# Altium PCB pcb-ash-power.PcbDoc (part 4 of 6)
Units mm, origin at the board's own origin, x right, y up, seen from the top; angles counter-clockwise.
Board outline 140 x 87 mm, 4 copper layers (Top Layer, VCC, GND, Bottom Layer), stack 1.641 mm thick; 589 components, 453 nets, 2323 pads, 1205 vias.
Unrouted connection lines stored in the file: 345.
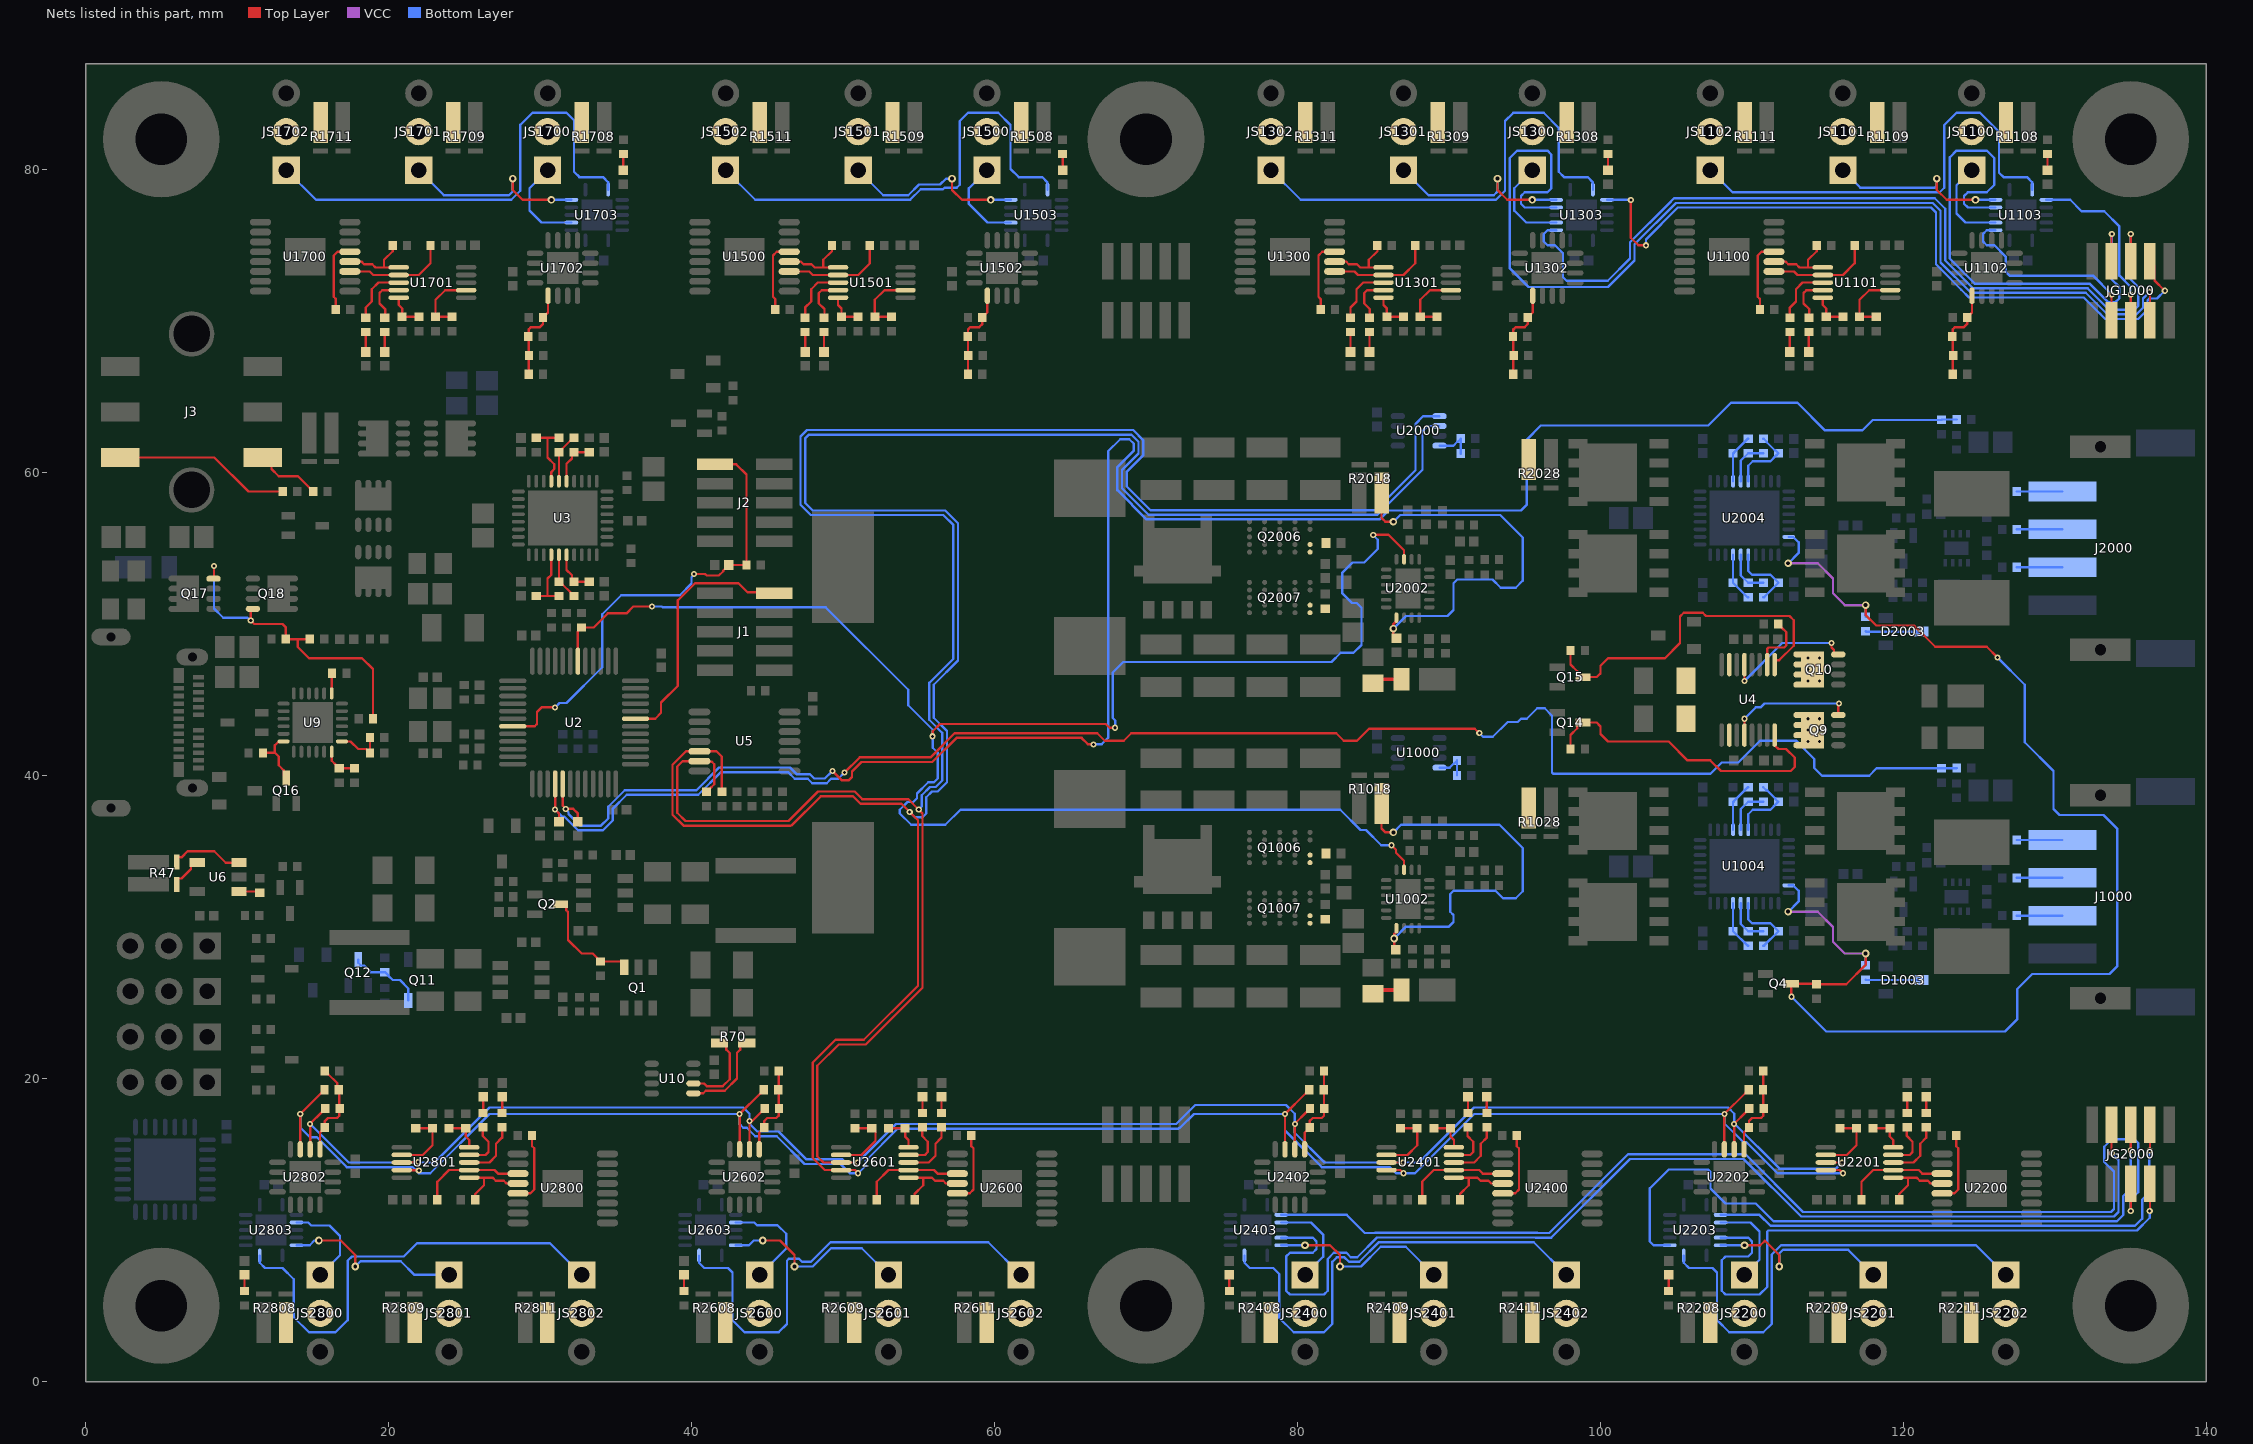
[diagram p6: the nets of this part, all layers, seen from the top]

## Via types
v1: diameter 0.5, hole 0.25, Top Layer to Bottom Layer, tented both sides, 250 vias
v2: diameter 0.406, hole 0.203, Top Layer to Bottom Layer, 244 vias
v3: diameter 0.5, hole 0.2, Top Layer to Bottom Layer, 202 vias
v4: diameter 0.508, hole 0.3, Top Layer to Bottom Layer, 155 vias
v5: diameter 0.4, hole 0.2, Top Layer to Bottom Layer, tented both sides, 103 vias
v6: diameter 0.508, hole 0.254, Top Layer to Bottom Layer, tented both sides, 82 vias
v7: diameter 1.27, hole 0.7, Top Layer to Bottom Layer, 48 vias
v8: diameter 0.4, hole 0.2, Top Layer to Bottom Layer, 47 vias
v9: diameter 0.5, hole 0.254, Top Layer to Bottom Layer, 24 vias
v10: diameter 0.508, hole 0.254, Top Layer to Bottom Layer, 19 vias
v11: diameter 0.508, hole 0.2, Top Layer to Bottom Layer, 17 vias
v12: diameter 0.406, hole 0.203, Top Layer to Bottom Layer, tented both sides, 10 vias
v13: diameter 0.508, hole 0.2, Top Layer to Bottom Layer, tented both sides, 4 vias

## Nets (pads, with @x,y where several pads share a name; then routed paths per layer and width w, separated by ;. In a path a pad name is that pad's centre, name@x,y a point inside that pad or via, vN(x,y) a via of type N, cw(c..) or ccw(c..) an arc to the next point about the centre after c; other vN are vias at no path point) (continued)
NetD1000_A: D1000.A R1019.2 | length 2
  Top Layer w0.152: R1019.2@84.98,25.6 R1019.2@85.23,25.85
  Top Layer w0.25: R1019.2@85.23,25.85 D1000.A@86.855,25.85
NetD1003_C: D1003.C R1047.2 | length 3.7
  Bottom Layer w0.152: R1047.2@117.5,26.525 117.525,26.5 D1003.C@121.175,26.5
NetD1100_A: D1100.1 R1100.2 | length 1.1
  Top Layer w0.152: D1100.1@129.5,79.96 R1100.2@129.5,81.025
NetD1101_C: D1101.2 R1104.1 | length 1.3
  Top Layer w0.152: D1101.2@112.5,67.96 R1104.1@112.5,69.275
NetD1102_C: D1102.2 R1105.1 | length 1.3
  Top Layer w0.152: D1102.2@113.75,67.96 R1105.1@113.75,69.275
NetD1300_A: D1300.1 R1300.2 | length 1.1
  Top Layer w0.152: D1300.1@100.5,79.96 R1300.2@100.5,81.025
NetD1301_C: D1301.2 R1304.1 | length 1.3
  Top Layer w0.152: D1301.2@83.5,67.96 R1304.1@83.5,69.275
NetD1302_C: D1302.2 R1305.1 | length 1.3
  Top Layer w0.152: D1302.2@84.75,67.96 R1305.1@84.75,69.275
NetD1500_A: D1500.1 R1500.2 | length 1.1
  Top Layer w0.152: D1500.1@64.5,79.96 R1500.2@64.5,81.025
NetD1501_C: D1501.2 R1504.1 | length 1.3
  Top Layer w0.152: D1501.2@47.5,67.96 R1504.1@47.5,69.275
NetD1502_C: D1502.2 R1505.1 | length 1.3
  Top Layer w0.152: D1502.2@48.75,67.96 R1505.1@48.75,69.275
NetD1700_A: D1700.1 R1700.2 | length 1.1
  Top Layer w0.152: D1700.1@35.5,79.96 R1700.2@35.5,81.025
NetD1701_C: D1701.2 R1704.1 | length 1.3
  Top Layer w0.152: D1701.2@18.5,67.96 R1704.1@18.5,69.275
NetD1702_C: D1702.2 R1705.1 | length 1.3
  Top Layer w0.152: D1702.2@19.75,67.96 R1705.1@19.75,69.275
NetD2000_A: D2000.A R2019.2 | length 2
  Top Layer w0.152: R2019.2@84.98,46.1 R2019.2@85.23,46.35
  Top Layer w0.25: R2019.2@85.23,46.35 D2000.A@86.855,46.35
NetD2003_C: D2003.C R2047.2 | length 3.7
  Bottom Layer w0.152: R2047.2@117.5,49.525 117.525,49.5 D2003.C@121.175,49.5
NetD2200_A: D2200.1 R2200.2 | length 1.1
  Top Layer w0.152: R2200.2@104.5,5.975 D2200.1@104.5,7.04
NetD2201_C: D2201.2 R2204.1 | length 1.1
  Top Layer w0.152: R2204.1@121.5,17.725 D2201.2@121.5,18.79
NetD2202_C: D2202.2 R2205.1 | length 1.1
  Top Layer w0.152: R2205.1@120.25,17.725 D2202.2@120.25,18.79
NetD2400_A: D2400.1 R2400.2 | length 1.1
  Top Layer w0.152: R2400.2@75.5,5.975 D2400.1@75.5,7.04
NetD2401_C: D2401.2 R2404.1 | length 1.1
  Top Layer w0.152: R2404.1@92.5,17.725 D2401.2@92.5,18.79
NetD2402_C: D2402.2 R2405.1 | length 1.1
  Top Layer w0.152: R2405.1@91.25,17.725 D2402.2@91.25,18.79
NetD2600_A: D2600.1 R2600.2 | length 1.1
  Top Layer w0.152: R2600.2@39.5,5.975 D2600.1@39.5,7.04
NetD2601_C: D2601.2 R2604.1 | length 1.1
  Top Layer w0.152: R2604.1@56.5,17.725 D2601.2@56.5,18.79
NetD2602_C: D2602.2 R2605.1 | length 1.1
  Top Layer w0.152: R2605.1@55.25,17.725 D2602.2@55.25,18.79
NetD2800_A: D2800.1 R2800.2 | length 1.1
  Top Layer w0.152: R2800.2@10.5,5.975 D2800.1@10.5,7.04
NetD2801_C: D2801.2 R2804.1 | length 1.1
  Top Layer w0.152: R2804.1@27.5,17.725 D2801.2@27.5,18.79
NetD2802_C: D2802.2 R2805.1 | length 1.1
  Top Layer w0.152: R2805.1@26.25,17.725 D2802.2@26.25,18.79
NetFB1000_2: FB1000.2 Q1006.G
NetFB1001_2: FB1001.2 Q1007.G
NetFB2000_2: FB2000.2 Q2006.G
NetFB2001_2: FB2001.2 Q2007.G
NetID1100_1: ID1100.1 R1106.2 U1101.5 | length 2.6
  Top Layer w0.152: U1101.5@114.675,71.54 114.675,71.055 114.9,70.83 R1106.2@114.9,70.275 ID1100.1@116,70.275 ; ID1100.1@116,70.24 ID1100.1@116.15,70.24
NetID1101_1: ID1101.1 R1107.2 U1101.7 | length 4.5
  Top Layer w0.152: R1107.2@118.2,70.275 ID1101.1@117.1,70.275 117.1,71.4 117.74,72.04 U1101.7@119.125,72.04
NetID1102_1: ID1102.1 ID1103.1 ID1104.1 R1110.2 U1102.5 | length 6.1
  Top Layer w0.152: R1110.2@123.25,66.49 123.25,67.74 123.25,68.99 123.25,69.45 123.4,69.6 124,69.6 124.2,69.8 ID1104.1@124.2,70.24 124.525,70.565 U1102.5@124.525,71.675
NetID1300_1: ID1300.1 R1306.2 U1301.5 | length 2.6
  Top Layer w0.152: U1301.5@85.675,71.54 85.675,71.055 85.9,70.83 R1306.2@85.9,70.275 ID1300.1@87,70.275 ; ID1300.1@87,70.24 ID1300.1@87.15,70.24
NetID1301_1: ID1301.1 R1307.2 U1301.7 | length 4.5
  Top Layer w0.152: R1307.2@89.2,70.275 ID1301.1@88.1,70.275 88.1,71.4 88.74,72.04 U1301.7@90.125,72.04
NetID1302_1: ID1302.1 ID1303.1 ID1304.1 R1310.2 U1302.5 | length 6.1
  Top Layer w0.152: R1310.2@94.25,66.49 94.25,67.74 94.25,68.99 94.25,69.45 94.4,69.6 95,69.6 95.2,69.8 ID1304.1@95.2,70.24 95.525,70.565 U1302.5@95.525,71.675
NetID1500_1: ID1500.1 R1506.2 U1501.5 | length 2.6
  Top Layer w0.152: U1501.5@49.675,71.54 49.675,71.055 49.9,70.83 R1506.2@49.9,70.275 ID1500.1@51,70.275 ; ID1500.1@51,70.24 ID1500.1@51.15,70.24
NetID1501_1: ID1501.1 R1507.2 U1501.7 | length 4.5
  Top Layer w0.152: R1507.2@53.2,70.275 ID1501.1@52.1,70.275 52.1,71.4 52.74,72.04 U1501.7@54.125,72.04
NetID1502_1: ID1502.1 ID1503.1 ID1504.1 R1510.2 U1502.5 | length 6.1
  Top Layer w0.152: R1510.2@58.25,66.49 58.25,67.74 58.25,68.99 58.25,69.45 58.4,69.6 59,69.6 59.2,69.8 ID1504.1@59.2,70.24 59.525,70.565 U1502.5@59.525,71.675
NetID1700_1: ID1700.1 R1706.2 U1701.5 | length 2.6
  Top Layer w0.152: U1701.5@20.675,71.54 20.675,71.055 20.9,70.83 R1706.2@20.9,70.275 ID1700.1@22,70.275 ; ID1700.1@22,70.24 ID1700.1@22.15,70.24
NetID1701_1: ID1701.1 R1707.2 U1701.7 | length 4.5
  Top Layer w0.152: R1707.2@24.2,70.275 ID1701.1@23.1,70.275 23.1,71.4 23.74,72.04 U1701.7@25.125,72.04
NetID1702_1: ID1702.1 ID1703.1 ID1704.1 R1710.2 U1702.5 | length 6.1
  Top Layer w0.152: R1710.2@29.25,66.49 29.25,67.74 29.25,68.99 29.25,69.45 29.4,69.6 30,69.6 30.2,69.8 ID1704.1@30.2,70.24 30.525,70.565 U1702.5@30.525,71.675
NetID2200_1: ID2200.1 R2206.2 U2201.5 | length 2.6
  Top Layer w0.152: ID2200.1@117.85,16.76 ID2200.1@118,16.76 ; ID2200.1@118,16.725 R2206.2@119.1,16.725 119.1,16.17 119.325,15.945 U2201.5@119.325,15.46
NetID2201_1: ID2201.1 R2207.2 U2201.7 | length 4.5
  Top Layer w0.152: U2201.7@114.875,14.96 116.26,14.96 116.9,15.6 ID2201.1@116.9,16.725 R2207.2@115.8,16.725
NetID2202_1: ID2202.1 ID2203.1 ID2204.1 R2210.2 U2202.5 | length 6.1
  Top Layer w0.152: U2202.5@109.475,15.325 109.475,16.435 ID2204.1@109.8,16.76 109.8,17.2 110,17.4 110.6,17.4 110.75,17.55 110.75,18.01 110.75,19.26 R2210.2@110.75,20.51
NetID2400_1: ID2400.1 R2406.2 U2401.5 | length 2.6
  Top Layer w0.152: ID2400.1@88.85,16.76 ID2400.1@89,16.76 ; ID2400.1@89,16.725 R2406.2@90.1,16.725 90.1,16.17 90.325,15.945 U2401.5@90.325,15.46
NetID2401_1: ID2401.1 R2407.2 U2401.7 | length 4.5
  Top Layer w0.152: U2401.7@85.875,14.96 87.26,14.96 87.9,15.6 ID2401.1@87.9,16.725 R2407.2@86.8,16.725
NetID2402_1: ID2402.1 ID2403.1 ID2404.1 R2410.2 U2402.5 | length 6.1
  Top Layer w0.152: U2402.5@80.475,15.325 80.475,16.435 ID2404.1@80.8,16.76 80.8,17.2 81,17.4 81.6,17.4 81.75,17.55 81.75,18.01 81.75,19.26 R2410.2@81.75,20.51
NetID2600_1: ID2600.1 R2606.2 U2601.5 | length 2.6
  Top Layer w0.152: ID2600.1@52.85,16.76 ID2600.1@53,16.76 ; ID2600.1@53,16.725 R2606.2@54.1,16.725 54.1,16.17 54.325,15.945 U2601.5@54.325,15.46
NetID2601_1: ID2601.1 R2607.2 U2601.7 | length 4.7
  Top Layer w0.152: U2601.7@49.875,14.96 51.229,14.96 52.145,15.876 52.145,16.48 52.124,16.501 52.124,16.526 51.925,16.725 ID2601.1@51.9,16.725 R2607.2@50.8,16.725
NetID2602_1: ID2602.1 ID2603.1 ID2604.1 R2610.2 U2602.5 | length 6.1
  Top Layer w0.152: U2602.5@44.475,15.325 44.475,16.435 ID2604.1@44.8,16.76 44.8,17.2 45,17.4 45.6,17.4 45.75,17.55 45.75,18.01 45.75,19.26 R2610.2@45.75,20.51
NetID2800_1: ID2800.1 R2806.2 U2801.5 | length 2.6
  Top Layer w0.152: ID2800.1@23.85,16.76 ID2800.1@24,16.76 ; ID2800.1@24,16.725 R2806.2@25.1,16.725 25.1,16.17 25.325,15.945 U2801.5@25.325,15.46
NetID2801_1: ID2801.1 R2807.2 U2801.7 | length 4.5
  Top Layer w0.152: U2801.7@20.875,14.96 22.26,14.96 22.9,15.6 ID2801.1@22.9,16.725 R2807.2@21.8,16.725
NetID2802_1: ID2802.1 ID2803.1 ID2804.1 R2810.2 U2802.5 | length 6.5
  Top Layer w0.152: U2802.5@15.475,15.325 15.475,16.435 ID2804.1@15.8,16.76 15.8,17.2 16,17.4 16.6,17.4 16.75,17.55 ID2803.1@16.75,19.26 ; R2810.2@15.8,20.51 15.8,20.485 15.999,20.286 16.024,20.286 16.611,19.699 16.611,19.374 ID2803.1@16.725,19.26
NetJ3_1: J3.1 R40.1 | length 11.7
  Top Layer w0.152: J3.1@2.3,61 8.5,61 10.75,58.75 R40.1@13.025,58.75
NetJ3_4: J3.4 R39.1 | length 4.4
  Top Layer w0.152: J3.4@11.7,61 11.716,61 12.274,60.441 12.274,60.226 12.75,59.75 14.025,59.75 14.801,58.974 14.826,58.974 15.025,58.775 R39.1@15.025,58.75
NetJ1000_1: J1000.1 R1033.1 | length 3
  Bottom Layer w0.152: R1033.1@127.475,35.75 J1000.1@130.5,35.75
NetJ1000_2: J1000.2 R1035.1 | length 3
  Bottom Layer w0.152: R1035.1@127.475,33.25 J1000.2@130.5,33.25
NetJ1000_3: J1000.3 R1038.1 | length 3
  Bottom Layer w0.152: R1038.1@127.475,30.75 J1000.3@130.5,30.75
NetJ2000_1: J2000.1 R2033.1 | length 3
  Bottom Layer w0.152: R2033.1@127.475,58.75 J2000.1@130.5,58.75
NetJ2000_2: J2000.2 R2035.1 | length 3
  Bottom Layer w0.152: R2035.1@127.475,56.25 J2000.2@130.5,56.25
NetJ2000_3: J2000.3 R2038.1 | length 3
  Bottom Layer w0.152: R2038.1@127.475,53.75 J2000.3@130.5,53.75
NetJS1100_1: JS1100.1 U1103.3 | length 6.1
  Bottom Layer w0.152: JS1100.1@124.5,79.96 123.5,78.96 123.5,77.1 124.1,76.5 U1103.3@126.075,76.5
NetJS1100_2: JS1100.2 R1108.2
NetJS1101_1: JS1101.1 U1103.6 | length 12.1
  Top Layer w0.152: v6(122.2,79.4) 122.2,78.65 122.85,78 v6(124.75,78)
  Bottom Layer w0.152: JS1101.1@116,79.96 117.155,78.805 122.055,78.805 122.2,78.95 v6(122.2,79.4) ; v6(124.75,78) U1103.6@126.075,78
NetJS1101_2: JS1101.2 R1109.2
NetJS1102_1: JS1102.1 U1103.8 | length 30.4
  Bottom Layer w0.152: JS1102.1@107.25,79.96 108.71,78.5 122.4,78.5 122.695,78.795 122.695,82.945 123.5,83.75 125.05,83.75 126.305,82.495 126.305,79.795 126.6,79.5 128.154,79.5 128.5,79.154 U1103.8@128.5,78.675
NetJS1102_2: JS1102.2 R1111.2
NetJS1300_1: JS1300.1 U1303.3 | length 6.3
  Bottom Layer w0.152: JS1300.1@95.5,79.96 94.31,78.77 94.31,77.29 95.1,76.5 U1303.3@97.075,76.5
NetJS1300_2: JS1300.2 R1308.2
NetJS1301_1: JS1301.1 U1303.6 | length 12.7
  Top Layer w0.152: v6(93.2,79.4) 93.2,78.65 93.85,78 v6(95.5,78)
  Bottom Layer w0.152: JS1301.1@87,79.96 88.655,78.305 92.955,78.305 93.2,78.55 v6(93.2,79.4) ; v6(95.5,78) U1303.6@97.075,78
NetJS1301_2: JS1301.2 R1309.2
NetJS1302_1: JS1302.1 U1303.8 | length 31.2
  Bottom Layer w0.152: JS1302.1@78.25,79.96 80.21,78 93.1,78 93.7,78.6 93.7,83.2 94.25,83.75 96.25,83.75 97.25,82.75 97.25,79.85 97.6,79.5 99.154,79.5 99.5,79.154 U1303.8@99.5,78.675
NetJS1302_2: JS1302.2 R1311.2
NetJS1500_1: JS1500.1 U1503.3 | length 6
  Bottom Layer w0.152: JS1500.1@59.5,79.96 58.31,78.77 58.31,77.734 59.543,76.5 U1503.3@61.075,76.5
NetJS1500_2: JS1500.2 R1508.2
NetJS1501_1: JS1501.1 U1503.6 | length 12.2
  Top Layer w0.152: v6(57.2,79.4) 57.2,78.65 57.85,78 v6(59.75,78)
  Bottom Layer w0.152: JS1501.1@51,79.96 52.655,78.305 54.305,78.305 55.01,79.01 56.41,79.01 56.8,79.4 v6(57.2,79.4) ; v6(59.75,78) 60.2,78 U1503.6@61.075,78
NetJS1501_2: JS1501.2 R1509.2
NetJS1502_1: JS1502.1 U1503.8 | length 31
  Bottom Layer w0.152: JS1502.1@42.25,79.96 44.21,78 54.431,78 55.136,78.705 56.605,78.705 56.7,78.8 57.5,78.8 57.7,79 57.7,83.2 58.25,83.75 60.25,83.75 61.055,82.945 61.055,80.045 61.6,79.5 63.154,79.5 63.5,79.154 U1503.8@63.5,78.675
NetJS1502_2: JS1502.2 R1511.2
NetJS1700_1: JS1700.1 U1703.3 | length 6.3
  Bottom Layer w0.152: JS1700.1@30.5,79.96 29.31,78.77 29.31,77.29 30.1,76.5 U1703.3@32.075,76.5
NetJS1700_2: JS1700.2 R1708.2
NetJS1701_1: JS1701.1 U1703.6 | length 12.7
  Top Layer w0.152: v6(28.2,79.4) 28.2,78.65 28.85,78 v6(30.75,78)
  Bottom Layer w0.152: JS1701.1@22,79.96 23.655,78.305 27.955,78.305 28.2,78.55 v6(28.2,79.4) ; v6(30.75,78) 31.638,78 U1703.6@32.075,78
NetJS1701_2: JS1701.2 R1709.2
NetJS1702_1: JS1702.1 U1703.8 | length 31.4
  Bottom Layer w0.152: JS1702.1@13.25,79.96 15.21,78 28.1,78 28.7,78.6 28.7,82.95 29.5,83.75 31.75,83.75 32.25,83.25 32.25,79.85 32.6,79.5 34.154,79.5 34.5,79.154 U1703.8@34.5,78.675
NetJS1702_2: JS1702.2 R1711.2
NetJS2200_1: JS2200.1 U2203.3 | length 6.1
  Bottom Layer w0.152: U2203.3@107.925,10.5 109.9,10.5 110.5,9.9 110.5,8.04 JS2200.1@109.5,7.04
NetJS2200_2: JS2200.2 R2208.2
NetJS2201_1: JS2201.1 U2203.6 | length 13
  Top Layer w0.152: v6(109.5,9) 110.55,9 110.85,9.3 111.8,8.35 v6(111.8,7.6)
  Bottom Layer w0.152: U2203.6@107.925,9 v6(109.5,9) ; v6(111.8,7.6) 111.8,8.45 112.045,8.695 116.345,8.695 JS2201.1@118,7.04
NetJS2201_2: JS2201.2 R2209.2
NetJS2202_1: JS2202.1 U2203.8 | length 31.4
  Bottom Layer w0.152: U2203.8@105.5,8.325 105.5,7.846 105.846,7.5 107.4,7.5 107.695,7.205 107.695,4.055 108.5,3.25 110.75,3.25 111.305,3.805 111.305,8.386 111.919,9 124.79,9 JS2202.1@126.75,7.04
NetJS2202_2: JS2202.2 R2211.2
NetJS2400_1: JS2400.1 U2403.3 | length 6.3
  Bottom Layer w0.152: U2403.3@78.925,10.5 80.9,10.5 81.69,9.71 81.69,8.23 JS2400.1@80.5,7.04
NetJS2400_2: JS2400.2 R2408.2
NetJS2401_1: JS2401.1 U2403.6 | length 12.4
  Top Layer w0.152: v6(80.5,9) 82.15,9 82.8,8.35 v6(82.8,7.6)
  Bottom Layer w0.152: U2403.6@78.925,9 79.8,9 v6(80.5,9) ; v6(82.8,7.6) 84.2,7.6 85.5,8.9 87.14,8.9 JS2401.1@89,7.04
NetJS2401_2: JS2401.2 R2409.2
NetJS2402_1: JS2402.1 U2403.8 | length 31.3
  Bottom Layer w0.152: U2403.8@76.5,8.325 76.5,7.846 76.846,7.5 78.4,7.5 78.8,7.1 78.8,4.2 79.75,3.25 81.75,3.25 82.3,3.8 82.3,7.9 82.595,8.195 83.105,8.195 83.395,7.905 84.074,7.905 85.374,9.205 87.266,9.205 87.271,9.2 95.59,9.2 JS2402.1@97.75,7.04
NetJS2402_2: JS2402.2 R2411.2
NetJS2600_1: JS2600.1 U2603.3 | length 7.1
  Bottom Layer w0.152: U2603.3@42.925,10.5 44.139,10.5 44.321,10.318 45.682,10.318 46.25,9.75 46.25,8.79 JS2600.1@44.5,7.04
NetJS2600_2: JS2600.2 R2608.2
NetJS2601_1: JS2601.1 U2603.6 | length 12.6
  Top Layer w0.152: v6(44.7,9.305) 45.845,9.305 46.8,8.35 v6(46.8,7.6)
  Bottom Layer w0.152: U2603.6@42.925,9 43.8,9 44.105,9.305 v6(44.7,9.305) ; v6(46.8,7.6) 48.005,7.6 49.205,8.8 51.24,8.8 JS2601.1@53,7.04
NetJS2601_2: JS2601.2 R2609.2
NetJS2602_1: JS2602.1 U2603.8 | length 31.4
  Bottom Layer w0.152: U2603.8@40.5,8.325 40.5,7.846 40.846,7.5 42.4,7.5 42.7,7.2 42.7,4.05 43.5,3.25 45.75,3.25 46.3,3.8 46.3,7.978 46.422,8.1 47.1,8.1 47.295,7.905 47.879,7.905 49.174,9.2 59.59,9.2 JS2602.1@61.75,7.04
NetJS2602_2: JS2602.2 R2611.2
NetJS2800_1: JS2800.1 U2803.3 | length 6.3
  Bottom Layer w0.152: U2803.3@13.925,10.5 14.7,10.5 14.9,10.3 16.1,10.3 16.8,9.6 16.8,8.34 JS2800.1@15.5,7.04
NetJS2800_2: JS2800.2 R2808.2
NetJS2801_1: JS2801.1 U2803.6 | length 11.9
  Top Layer w0.152: v6(15.402,9.305) 16.845,9.305 17.8,8.35 v6(17.8,7.6)
  Bottom Layer w0.152: U2803.6@13.925,9 14.8,9 15.105,9.305 v6(15.402,9.305) ; v6(17.8,7.6) 18.145,7.945 20.805,7.945 21.71,7.04 JS2801.1@24,7.04
NetJS2801_2: JS2801.2 R2809.2
NetJS2802_1: JS2802.1 U2803.8 | length 30.7
  Bottom Layer w0.152: U2803.8@11.5,8.325 11.5,7.846 11.846,7.5 13,7.5 13.75,6.75 13.75,4.25 14.75,3.25 16.5,3.25 17.3,4.05 17.3,7.969 17.581,8.25 21,8.25 21.877,9.127 30.663,9.127 JS2802.1@32.75,7.04
NetJS2802_2: JS2802.2 R2811.2
NetQ1_3: Q1.3 Q2.3 R1.1 | length 7.2
  Top Layer w0.152: Q2.3@31.35,31.5 31.56,31.5 31.734,31.326 31.734,31.116 31.85,31 31.85,29.15 32.75,28.25 33.475,28.25 33.776,27.949 33.776,27.924 33.975,27.725 R1.1@34,27.725 35.351,27.725 35.55,27.526 Q1.3@35.55,27.35
NetQ4_3: Q4.3 R69.2 R1047.1 R2047.1 U1004.17 U2004.17 | length 88.5
  Top Layer w0.152: v2(112.6,25.4) Q4.3@112.6,26.25 114.225,26.25 R69.2@114.25,26.225 116.225,26.225 117.5,27.5 v6(117.5,28.25) ; v10(117.5,51.25) 117.5,50.6 118.2,49.9 120.7,49.9 122.1,48.5 125.5,48.5 v2(126.2,47.8)
  VCC w0.152: v6(112.388,31.016) 114.342,31.016 115.345,30.013 115.345,29.03 116.125,28.25 v6(117.5,28.25) ; v10(112.388,54.016) 114.342,54.016 115.345,53.013 115.345,52.03 116.131,51.244 117.494,51.244 v10(117.5,51.25)
  Bottom Layer w0.152: v6(112.388,31.016) 112.404,31.016 113.079,31.69 113.079,32.396 112.725,32.75 U1004.17@112.425,32.75 ; v10(112.388,54.016) 112.404,54.016 113.079,54.69 113.079,55.396 112.725,55.75 U2004.17@112.425,55.75 ; v2(112.6,25.4) 114.9,23.1 126.7,23.1 127.5,23.9 127.5,25.9 128.5,26.9 133.6,26.9 134.1,27.4 134.1,36.5 133.2,37.4 130.3,37.4 129.9,37.8 129.9,40.3 128,42.2 128,46 v2(126.2,47.8) ; R1047.1@117.5,27.475 v6(117.5,28.25) ; R2047.1@117.5,50.475 v10(117.5,51.25)
NetQ9_4: Q9.4 U4.12 | length 8.5
  Top Layer w0.152: U4.12@109.5,42.675 v2(109.5,43.75) ; Q9.4@115.7,43.999 115.7,44.7 v2(115.75,44.75)
  Bottom Layer w0.152: v2(109.5,43.75) 110.25,44.5 110.569,44.5 110.819,44.75 v2(115.75,44.75)
NetQ10_4: Q10.4 U4.5 | length 8.9
  Top Layer w0.152: v2(109.5,46.25) U4.5@109.5,47.325 ; v2(115.25,48.75) 115.252,48.748 115.252,48.447 115.412,48.287 115.412,48.113 115.526,47.999 Q10.4@115.7,47.999
  Bottom Layer w0.152: v2(109.5,46.25) 112,48.75 v2(115.25,48.75)
NetQ11_3: Q11.3 Q12.3 R46.1 | length 5
  Bottom Layer w0.152: Q12.3@18,27.85 18,27.64 18.174,27.466 18.384,27.466 18.825,27.025 R46.1@19.75,27.025 19.775,27.025 19.974,26.826 19.974,26.801 20.275,26.5 20.75,26.5 21.3,25.95 Q11.3@21.3,25.15
NetQ14_3: Q14.3 R22.1 U4.16 | length 20.9
  Top Layer w0.152: R22.1@98.025,41.75 98.025,42.675 98.466,43.116 98.466,43.326 98.64,43.5 Q14.3@98.85,43.5 99.75,43.5 99.975,43.275 100,43.275 100,42.75 100.5,42.25 104.5,42.25 105.75,41 107.25,41 107.945,40.305 112.555,40.305 112.832,40.582 112.832,41.168 112.25,41.75 111.75,41.75 111.574,41.926 111.574,41.936 111.5,42.01 U4.16@111.5,42.675
NetQ15_3: Q15.3 R31.1 U4.1 | length 23
  Top Layer w0.152: R31.1@98.025,48.25 98.025,47.325 98.466,46.884 98.466,46.674 98.64,46.5 Q15.3@98.85,46.5 99.75,46.5 99.975,46.725 100,46.725 100,47.25 100.5,47.75 104.25,47.75 105.25,48.75 105.25,50.5 105.5,50.75 106.75,50.75 106.971,50.529 112.471,50.529 112.75,50.25 112.75,48.575 111.789,47.614 111.568,47.614 111.5,47.546 U4.1@111.5,47.325
NetQ16_3: Q16.3 R66.1 U9.6 | length 3.9
  Top Layer w0.152: R66.1@11.713,41.5 12.5,41.5 ; U9.6@13.075,42.25 12.774,42.25 12.725,42.201 12.701,42.201 12.5,42 12.5,41.5 ; Q16.3@13.25,39.85 13.076,40.024 13.076,40.349 12.75,40.675 12.75,41.25 12.5,41.5
NetQ17_4: Q17.4 Q18.4 R57.1 R59.1 R61.2 | length 21.5